# Altium PCB ld_harness.PcbDoc (part 2 of 3)
Units mm, origin at the board's own origin, x right, y up, seen from the top; angles counter-clockwise.
Board outline 234 x 120.33 mm, 2 copper layers (Top Layer, Bottom Layer), stack 0.145 mm thick; 21 components, 114 nets, 500 pads, 1994 vias.
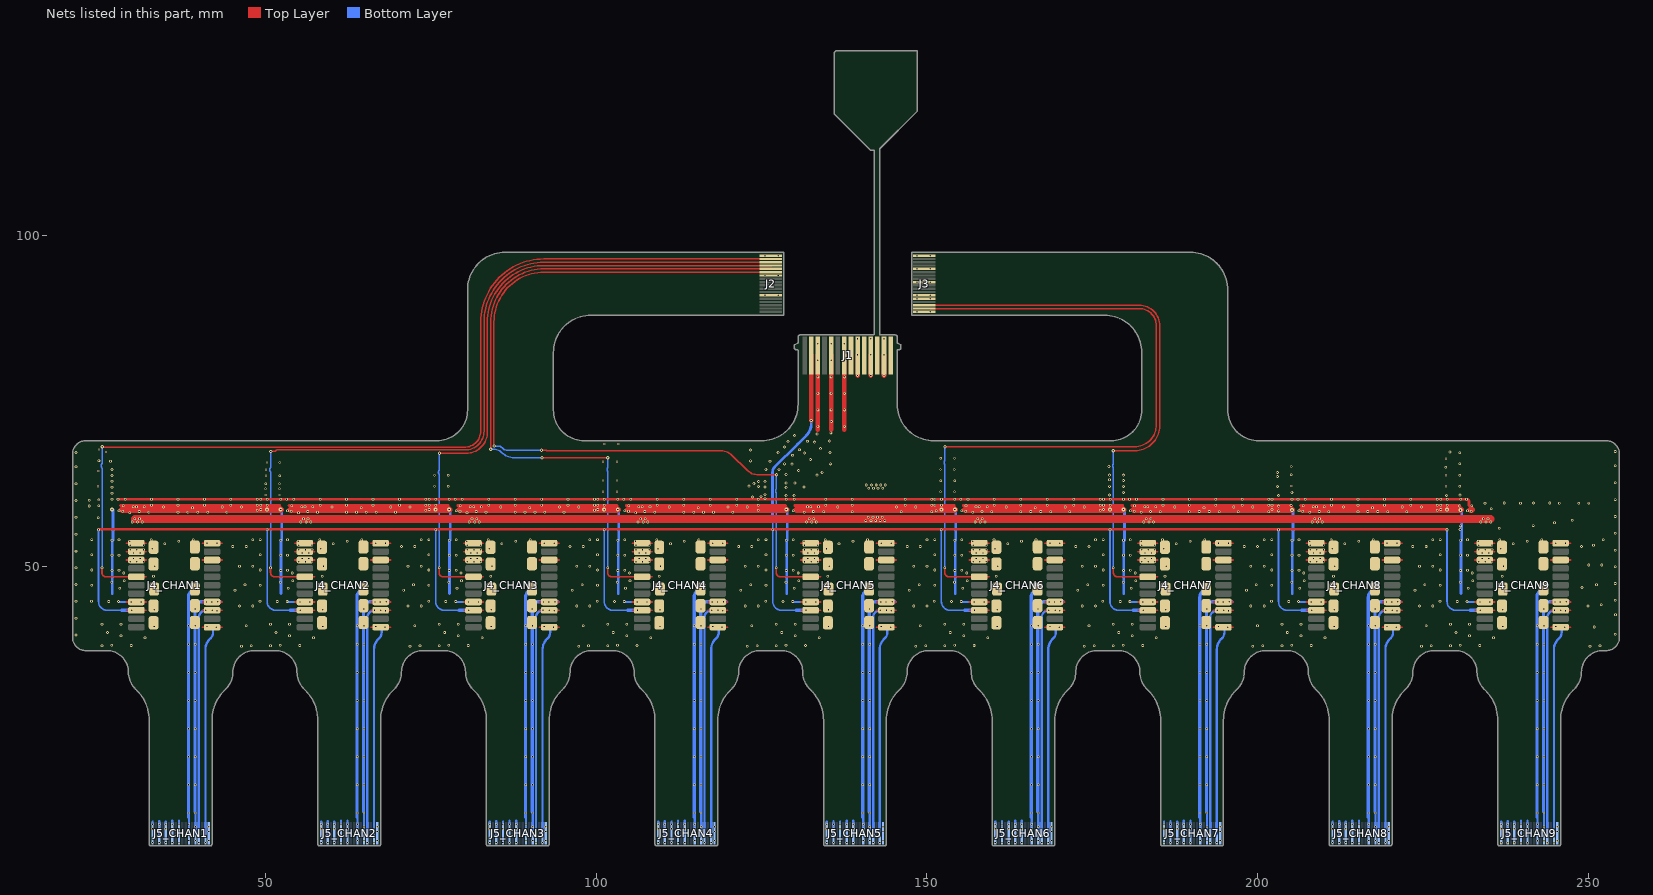
[diagram p2: the nets of this part, all layers, seen from the top]

## Via types
v1: diameter 0.4, hole 0.2, Top Layer to Bottom Layer, tented both sides, 1077 vias
v2: diameter 0.35, hole 0.2, Top Layer to Bottom Layer, tented both sides, 739 vias
v3: diameter 0.45, hole 0.2, Top Layer to Bottom Layer, tented both sides, 98 vias
v4: diameter 0.5, hole 0.2, Top Layer to Bottom Layer, tented both sides, 65 vias
v5: diameter 0.6, hole 0.2, Top Layer to Bottom Layer, tented both sides, 15 vias

## Nets (pads, with @x,y where several pads share a name; then routed paths per layer and width w, separated by ;. In a path a pad name is that pad's centre, name@x,y a point inside that pad or via, vN(x,y) a via of type N, cw(c..) or ccw(c..) an arc to the next point about the centre after c; other vN are vias at no path point) (continued)
_TEMP_CHAN1: J4_CHAN1.11 J5_CHAN1.17 | length 31.8
  Bottom Layer w0.35: J5_CHAN1.17@40.85,9.5 40.85,13.474 40.85,37.431 cw(c43.069,37.431) 41.5,39 41.646,39.146 ccw(c40.793,40) 42,40 42,41
  other v1: 42.5,40.8 41.1,40.9
  other v2: 40.85,8.225
_TEMP_CHAN2: J4_CHAN2.11 J5_CHAN2.17 | length 31.8
  Bottom Layer w0.35: J5_CHAN2.17@66.35,9.5 66.35,13.474 66.35,37.431 cw(c68.569,37.431) 67,39 67.146,39.146 ccw(c66.293,40) 67.5,40 67.5,41
  other v1: 68,40.8 66.6,40.9
  other v2: 66.35,8.225
_TEMP_CHAN3: J4_CHAN3.11 J5_CHAN3.17 | length 31.8
  Bottom Layer w0.35: J5_CHAN3.17@91.85,9.5 91.85,13.474 91.85,37.431 cw(c94.069,37.431) 92.5,39 92.646,39.146 ccw(c91.793,40) 93,40 93,41
  other v1: 93.5,40.8 92.1,40.9
  other v2: 91.85,8.225
_TEMP_CHAN4: J4_CHAN4.11 J5_CHAN4.17 | length 31.8
  Bottom Layer w0.35: J5_CHAN4.17@117.35,9.5 117.35,13.474 117.35,37.431 cw(c119.569,37.431) 118,39 118.146,39.146 ; 118.147,39.147 ccw(c117.293,40) 118.5,40 118.5,41
  other v1: 119,40.8 117.6,40.9
  other v2: 117.35,8.225
_TEMP_CHAN5: J4_CHAN5.11 J5_CHAN5.17 | length 31.8
  Bottom Layer w0.35: J5_CHAN5.17@142.85,9.5 142.85,13.474 142.85,37.431 cw(c145.069,37.431) 143.5,39 143.646,39.146 ccw(c142.793,40) 144,40 144,41
  other v1: 144.5,40.8 143.1,40.9
  other v2: 142.85,8.225
_TEMP_CHAN6: J4_CHAN6.11 J5_CHAN6.17 | length 31.8
  Bottom Layer w0.35: J5_CHAN6.17@168.35,9.5 168.35,13.474 168.35,37.431 cw(c170.569,37.431) 169,39 169.146,39.146 ccw(c168.293,40) 169.5,40 169.5,41
  other v1: 170,40.8 168.6,40.9
  other v2: 168.35,8.225
_TEMP_CHAN7: J4_CHAN7.11 J5_CHAN7.17 | length 31.8
  Bottom Layer w0.35: J5_CHAN7.17@193.85,9.5 193.85,13.474 193.85,37.431 cw(c196.069,37.431) 194.5,39 194.646,39.146 ccw(c193.793,40) 195,40 195,41
  other v1: 195.5,40.8 194.1,40.9
  other v2: 193.85,8.225
_TEMP_CHAN8: J4_CHAN8.11 J5_CHAN8.17 | length 31.8
  Bottom Layer w0.35: J5_CHAN8.17@219.35,9.5 219.35,13.474 219.35,37.431 cw(c221.569,37.431) 220,39 220.146,39.146 ; 220.147,39.147 ccw(c219.293,40) 220.5,40 220.5,41
  other v1: 221,40.8 219.6,40.9
  other v2: 219.35,8.225
_TEMP_CHAN9: J4_CHAN9.11 J5_CHAN9.17 | length 31.8
  Bottom Layer w0.35: J5_CHAN9.17@244.85,9.5 244.85,13.474 244.85,37.431 cw(c247.069,37.431) 245.5,39 245.646,39.146 ccw(c244.793,40) 246,40 246,41
  other v1: 246.5,40.8 245.1,40.9
  other v2: 244.85,8.2
_VDD5_CHAN1: J4_CHAN1.9 J5_CHAN1.15 | length 36.4
  Bottom Layer w0.35: J5_CHAN1.15@39.85,9.5 39.85,11.385 39.85,13.06 39.85,42.277 cw(c40.919,42.277) v1(40.919,43.345)
  Bottom Layer w0.5: v1(40.919,43.345) 42.845,43.345
  other v1: 42.6,43.3 41.882,43.345
  other v2: 39.85,8.225
_VDD5_CHAN2: J4_CHAN2.9 J5_CHAN2.15 | length 36.4
  Bottom Layer w0.35: J5_CHAN2.15@65.35,9.5 65.35,11.385 65.35,13.06 65.35,42.277 cw(c66.419,42.277) v1(66.419,43.345)
  Bottom Layer w0.5: v1(66.419,43.345) 68.345,43.345
  other v1: 68.1,43.3 67.382,43.345
  other v2: 65.35,8.225
_VDD5_CHAN3: J4_CHAN3.9 J5_CHAN3.15 | length 36.4
  Bottom Layer w0.35: J5_CHAN3.15@90.85,9.5 90.85,11.385 90.85,13.06 90.85,42.277 cw(c91.919,42.277) v1(91.919,43.345)
  Bottom Layer w0.5: v1(91.919,43.345) 93.845,43.345
  other v1: 93.6,43.3 92.882,43.345
  other v2: 90.85,8.225
_VDD5_CHAN4: J4_CHAN4.9 J5_CHAN4.15 | length 36.4
  Bottom Layer w0.35: J5_CHAN4.15@116.35,9.5 116.35,11.385 116.35,13.06 116.35,42.277 cw(c117.419,42.277) v1(117.419,43.345)
  Bottom Layer w0.5: v1(117.419,43.345) 119.345,43.345
  other v1: 119.1,43.3 118.382,43.345
  other v2: 116.35,8.225
_VDD5_CHAN5: J4_CHAN5.9 J5_CHAN5.15 | length 36.4
  Bottom Layer w0.35: J5_CHAN5.15@141.85,9.5 141.85,11.385 141.85,13.06 141.85,42.277 cw(c142.919,42.277) v1(142.919,43.345)
  Bottom Layer w0.5: v1(142.919,43.345) 144.845,43.345
  other v1: 144.6,43.3 143.882,43.345
  other v2: 141.85,8.225
_VDD5_CHAN6: J4_CHAN6.9 J5_CHAN6.15 | length 36.4
  Bottom Layer w0.35: J5_CHAN6.15@167.35,9.5 167.35,11.385 167.35,13.06 167.35,42.277 cw(c168.419,42.277) v1(168.419,43.345)
  Bottom Layer w0.5: v1(168.419,43.345) 170.345,43.345
  other v1: 170.1,43.3 169.382,43.345
  other v2: 167.35,8.225
_VDD5_CHAN7: J4_CHAN7.9 J5_CHAN7.15 | length 36.4
  Bottom Layer w0.35: J5_CHAN7.15@192.85,9.5 192.85,11.385 192.85,13.06 192.85,42.277 cw(c193.919,42.277) v1(193.919,43.345)
  Bottom Layer w0.5: v1(193.919,43.345) 195.845,43.345
  other v1: 195.6,43.3 194.882,43.345
  other v2: 192.85,8.225
_VDD5_CHAN8: J4_CHAN8.9 J5_CHAN8.15 | length 36.4
  Bottom Layer w0.35: J5_CHAN8.15@218.35,9.5 218.35,11.385 218.35,13.06 218.35,42.277 cw(c219.419,42.277) v1(219.419,43.345)
  Bottom Layer w0.5: v1(219.419,43.345) 221.345,43.345
  other v1: 221.1,43.3 220.382,43.345
  other v2: 218.35,8.225
_VDD5_CHAN9: J4_CHAN9.9 J5_CHAN9.15 | length 36.4
  Bottom Layer w0.35: J5_CHAN9.15@243.85,9.5 243.85,11.385 243.85,13.06 243.85,42.277 cw(c244.919,42.277) v1(244.919,43.345)
  Bottom Layer w0.5: v1(244.919,43.345) 246.845,43.345
  other v1: 246.6,43.3 245.882,43.345
  other v2: 243.85,8.2
AGND: J1.3 J1.5 J1.7 J1.9 J1.11 J1.13 J2.1 J2.7 J2.13 J3.1 J3.5 J3.6 J3.10 J3.14 J3.18 J4_CHAN1.1 J4_CHAN1.1_G J4_CHAN1.3 J4_CHAN1.3_G J4_CHAN1.8_G J4_CHAN1.AGND_G J4_CHAN1.PGND J4_CHAN2.1 J4_CHAN2.1_G J4_CHAN2.3 J4_CHAN2.3_G J4_CHAN2.8_G J4_CHAN2.AGND_G J4_CHAN2.PGND J4_CHAN3.1 J4_CHAN3.1_G J4_CHAN3.3 J4_CHAN3.3_G J4_CHAN3.8_G J4_CHAN3.AGND_G J4_CHAN3.PGND J4_CHAN4.1 J4_CHAN4.1_G J4_CHAN4.3 J4_CHAN4.3_G J4_CHAN4.8_G J4_CHAN4.AGND_G J4_CHAN4.PGND J4_CHAN5.1 J4_CHAN5.1_G J4_CHAN5.3 J4_CHAN5.3_G J4_CHAN5.8_G J4_CHAN5.AGND_G J4_CHAN5.PGND J4_CHAN6.1 J4_CHAN6.1_G J4_CHAN6.3 J4_CHAN6.3_G J4_CHAN6.8_G J4_CHAN6.AGND_G J4_CHAN6.PGND J4_CHAN7.1 J4_CHAN7.1_G J4_CHAN7.3 J4_CHAN7.3_G J4_CHAN7.8_G J4_CHAN7.AGND_G J4_CHAN7.PGND J4_CHAN8.1 J4_CHAN8.1_G J4_CHAN8.3 J4_CHAN8.3_G J4_CHAN8.8_G J4_CHAN8.AGND_G J4_CHAN8.PGND J4_CHAN9.1 J4_CHAN9.1_G J4_CHAN9.3 J4_CHAN9.3_G J4_CHAN9.8_G J4_CHAN9.AGND_G J4_CHAN9.PGND J5_CHAN1.1 J5_CHAN1.3 J5_CHAN1.5 J5_CHAN1.7 J5_CHAN1.9 J5_CHAN2.1 J5_CHAN2.3 J5_CHAN2.5 J5_CHAN2.7 J5_CHAN2.9 J5_CHAN3.1 J5_CHAN3.3 J5_CHAN3.5 J5_CHAN3.7 J5_CHAN3.9 J5_CHAN4.1 J5_CHAN4.3 J5_CHAN4.5 J5_CHAN4.7 J5_CHAN4.9 J5_CHAN5.1 J5_CHAN5.3 J5_CHAN5.5 J5_CHAN5.7 J5_CHAN5.9 J5_CHAN6.1 J5_CHAN6.3 J5_CHAN6.5 J5_CHAN6.7 J5_CHAN6.9 J5_CHAN7.1 J5_CHAN7.3 J5_CHAN7.5 J5_CHAN7.7 J5_CHAN7.9 J5_CHAN8.1 J5_CHAN8.3 J5_CHAN8.5 J5_CHAN8.7 J5_CHAN8.9 J5_CHAN9.1 J5_CHAN9.3 J5_CHAN9.5 J5_CHAN9.7 J5_CHAN9.9 | length 813.3
  Top Layer w0.4: v1(27.625,60.15) v1@48.7,60.15 ; 28,59.2 28.05,59.25 v1(36.7,59.25) 38.9,59.25 v1(40.7,59.25) v1(44.7,59.25) v1(48.7,59.25) ; v1@48.625,59.25 v1(49.2,59.25) v1(50.2,59.25) 52.05,59.25 52.1,59.2 ; v1@48.704,60.15 v1(49.2,60.15) v1(50.2,60.15) v1(52.225,60.15) v1(53.125,60.15) v1@74.2,60.15 ; 53.5,59.2 53.55,59.25 v1(62.2,59.25) 64.4,59.25 v1(66.2,59.25) v1(70.2,59.25) v1(74.2,59.25) ; v1@74.125,59.25 v1(74.7,59.25) v1(75.7,59.25) 77.55,59.25 77.6,59.2 ; v1@74.204,60.15 v1(74.7,60.15) v1(75.7,60.15) v1(77.725,60.15) v1(78.625,60.15) v1@99.7,60.15 ; 79,59.2 79.05,59.25 v1(87.7,59.25) 89.9,59.25 v1(91.7,59.25) v1(95.7,59.25) v1(99.7,59.25) ; v1@99.625,59.25 v1(100.2,59.25) v1(101.2,59.25) 103.05,59.25 103.1,59.2 ; v1@99.704,60.15 v1(100.2,60.15) v1(101.2,60.15) v1(103.225,60.15) v1(104.125,60.15) v1@124.5,60.15 ; 104.5,59.2 104.55,59.25 v1(113.2,59.25) 115.4,59.25 v1(117.2,59.25) v1(121.2,59.25) v1(124.5,59.25) 125.2,59.25 ; v1(124.5,60.175) 124.525,60.15 v1(129.925,60.15) v1@150.7,60.15 ; 125.125,59.25 125.7,59.25 126.7,59.25 128.55,59.25 128.6,59.2 ; 130,59.2 130.05,59.25 v1(138.7,59.25) 140.9,59.25 v1(146.7,59.25) v1(150.7,59.25) ; v1@150.625,59.25 v1(151.2,59.25) v1(152.2,59.25) 154.05,59.25 154.1,59.2 ; v1@150.704,60.15 v1(151.2,60.15) v1(152.2,60.15) v1(154.225,60.15) v1(155.125,60.15) v1@176.2,60.15 ; 155.5,59.2 155.55,59.25 v1(164.2,59.25) 166.4,59.25 v1(168.2,59.25) v1(172.2,59.25) v1(176.2,59.25) ; v1@176.125,59.25 v1(176.7,59.25) v1(177.7,59.25) 179.55,59.25 179.6,59.2 ; v1@176.204,60.15 v1(176.7,60.15) v1(177.7,60.15) v1(179.725,60.15) v1(180.625,60.15) v1@201.7,60.15 ; 181,59.2 181.05,59.25 v1(189.7,59.25) 191.9,59.25 v1(193.7,59.25) v1(197.7,59.25) v1(201.7,59.25) ; v1@201.625,59.25 v1(202.2,59.25) 203.2,59.25 205.05,59.25 v3(205.1,59.2) ; v1@201.704,60.15 v1(202.2,60.15) v1(205.225,60.15) v1(206.125,60.15) v1@227.2,60.15 ; 206.5,59.2 206.55,59.25 v1(215.2,59.25) 217.4,59.25 v1(219.2,59.25) v1(223.2,59.25) v1(227.2,59.25) ; v1@227.125,59.25 v1(227.7,59.25) v1(228.7,59.25) 230.55,59.25 v3@230.6,59.2 ; v1@227.204,60.15 v1(227.7,60.15) v1(228.7,60.15) v1(230.725,60.15) 230.729,60.154 231.239,60.154 231.243,60.15 v1(231.625,60.15) cw(c231.625,59.775) 232,59.775 232,59.2 232.05,59.25
  Top Layer w0.7: 133.5,70.675 J1.3@133.5,82 ; 135.5,70.65 135.5,71.885 v3(135.523,71.908) 135.5,71.931 v3(135.5,76.175) v3(135.5,78.675) v3(135.5,81.175) J1.5@135.5,82 ; 137.5,70.675 J1.7@137.5,82 ; v3(139.5,78.875) v3(139.5,82) ; v3(141.5,78.875) v3(141.5,82) ; v3(143.5,78.875) v3(143.5,82)
  Top Layer w1: 28.3,58.575 28.4,58.575 28.7,58.575 30.82,58.575 31.22,58.575 32.7,58.575 34.5,58.575 34.9,58.575 36.7,58.575 39.7,58.575 40.7,58.575 43.4,58.575 44.1,58.575 46.9,58.575 48.7,58.575 v5(50.175,58.575) v5@52.203,58.575 ; 53.8,58.575 53.9,58.575 54.2,58.575 56.32,58.575 56.72,58.575 58.2,58.575 60,58.575 60.4,58.575 62.2,58.575 65.2,58.575 66.2,58.575 68.9,58.575 69.6,58.575 72.4,58.575 74.2,58.575 v5(75.675,58.575) v5@77.703,58.575 ; 79.3,58.575 79.4,58.575 79.7,58.575 81.82,58.575 82.22,58.575 83.7,58.575 85.5,58.575 85.9,58.575 87.7,58.575 90.7,58.575 91.7,58.575 94.4,58.575 95.1,58.575 97.9,58.575 99.7,58.575 v5(101.175,58.575) v5@103.203,58.575 ; 104.8,58.575 104.9,58.575 105.2,58.575 107.32,58.575 107.72,58.575 109.2,58.575 111,58.575 111.4,58.575 113.2,58.575 116.2,58.575 117.2,58.575 119.9,58.575 120.6,58.575 123.4,58.575 124.5,58.575 125.2,58.575 126.675,58.575 v5@128.703,58.575 ; 130.3,58.575 130.4,58.575 130.7,58.575 132.82,58.575 133.22,58.575 134.7,58.575 136.5,58.575 136.9,58.575 138.7,58.575 140.9,58.575 142.7,58.575 145.4,58.575 146.1,58.575 148.9,58.575 150.7,58.575 v5(152.175,58.575) v5@154.203,58.575 ; 155.8,58.575 155.9,58.575 156.2,58.575 158.32,58.575 158.72,58.575 160.2,58.575 162,58.575 162.4,58.575 164.2,58.575 167.2,58.575 168.2,58.575 170.9,58.575 171.6,58.575 174.4,58.575 176.2,58.575 v5(177.675,58.575) v5@179.703,58.575 ; 181.3,58.575 181.4,58.575 181.7,58.575 183.82,58.575 184.22,58.575 185.7,58.575 187.5,58.575 187.9,58.575 189.7,58.575 192.7,58.575 193.7,58.575 196.4,58.575 197.1,58.575 199.9,58.575 201.7,58.575 203.175,58.575 v5@205.203,58.575 ; 206.8,58.575 206.9,58.575 207.2,58.575 209.32,58.575 209.72,58.575 211.2,58.575 213,58.575 213.4,58.575 215.2,58.575 218.2,58.575 219.2,58.575 221.9,58.575 222.6,58.575 225.4,58.575 227.2,58.575 v5(228.675,58.575) v5@230.703,58.575 ; 232.3,58.575 232.4,58.575
  Bottom Layer w0.25: v1@27.745,44.615 v2@29.6,44.615 ; v1@53.245,44.615 v2@55.1,44.615 ; v1@78.745,44.615 v2@80.6,44.615 ; v1@104.245,44.615 v2@106.1,44.615 ; v1@129.745,44.615 v2@131.6,44.615 ; v1@155.245,44.615 v2@157.1,44.615 ; v1@180.745,44.615 v2@182.6,44.615 ; v1@206.245,44.615 v2@208.1,44.615 ; v1@231.745,44.615 v2@233.6,44.615
  Bottom Layer w0.35: v2(32.85,11) 32.85,11.417 ; J5_CHAN1.3@33.85,9.5 33.85,11.45 ; v2(34.85,11) 34.85,11.417 ; v2(35.85,11) 35.85,11.5 ; v2(36.85,11) 36.85,11.5 ; v2(58.35,11) 58.35,11.417 ; J5_CHAN2.3@59.35,9.5 59.35,11.45 ; v2(60.35,11) 60.35,11.417 ; v2(61.35,11) 61.35,11.5 ; v2(62.35,11) 62.35,11.5 ; v2(83.85,11) 83.85,11.417 ; J5_CHAN3.3@84.85,9.5 84.85,11.45 ; v2(85.85,11) 85.85,11.417 ; v2(86.85,11) 86.85,11.5 ; v2(87.85,11) 87.85,11.5 ; v2(109.35,11) 109.35,11.417 ; J5_CHAN4.3@110.35,9.5 110.35,11.45 ; v2(111.35,11) 111.35,11.417 ; v2(112.35,11) 112.35,11.5 ; v2(113.35,11) 113.35,11.5 ; v2(134.85,11) 134.85,11.417 ; J5_CHAN5.3@135.85,9.5 135.85,11.45 ; v2(136.85,11) 136.85,11.417 ; v2(137.85,11) 137.85,11.5 ; v2(138.85,11) 138.85,11.5 ; v2(160.35,11) 160.35,11.417 ; J5_CHAN6.3@161.35,9.5 161.35,11.45 ; v2(162.35,11) 162.35,11.417 ; v2(163.35,11) 163.35,11.5 ; v2(164.35,11) 164.35,11.5 ; v2(185.85,11) 185.85,11.417 ; J5_CHAN7.3@186.85,9.5 186.85,11.45 ; v2(187.85,11) 187.85,11.417 ; v2(188.85,11) 188.85,11.5 ; v2(189.85,11) 189.85,11.5 ; v2(211.35,11) 211.35,11.417 ; J5_CHAN8.3@212.35,9.5 212.35,11.45 ; v2(213.35,11) 213.35,11.417 ; v2(214.35,11) 214.35,11.5 ; v2(215.35,11) 215.35,11.5 ; v2(236.85,11) 236.85,11.417 ; J5_CHAN9.3@237.85,9.5 237.85,11.45 ; v2(238.85,11) 238.85,11.417 ; v2(239.85,11) 239.85,11.5 ; v2(240.85,11) 240.85,11.5
  Bottom Layer w0.4: 26.775,45.885 v1@26.775,53.966 ; v1@26.875,53.966 26.875,54.7 26.875,58.591 v5@26.875,58.6 ; 52.275,45.885 v1@52.275,53.966 ; v1@52.375,53.966 52.375,54.7 52.375,58.591 v5@52.375,58.6 ; 77.775,45.885 v1@77.775,53.966 ; v1@77.875,53.966 77.875,54.7 77.875,58.591 v5@77.875,58.6 ; 103.275,45.885 v1@103.275,53.966 ; v1@103.375,53.966 103.375,54.7 103.375,58.591 v5@103.375,58.6 ; 128.775,45.885 v1@128.775,53.966 ; v1@128.875,53.966 128.875,54.7 128.875,58.591 v5@128.875,58.6 ; 154.275,45.885 v1@154.275,53.966 ; v1@154.375,53.966 154.375,54.7 154.375,58.591 v5@154.375,58.6 ; 179.775,45.885 v1@179.775,53.966 ; v1@179.875,53.966 179.875,54.7 179.875,58.591 v5@179.875,58.6 ; 205.275,45.885 v1@205.275,53.966 ; v1@205.375,53.966 205.375,54.7 205.375,58.591 v5@205.375,58.6 ; 230.775,45.885 v1@230.775,53.966 ; v1@230.875,53.966 230.875,54.7 230.875,58.591 v5@230.875,58.6
  Bottom Layer w0.5: v2@29.6,44.615 v2@31.2,44.615 ; v2@55.1,44.615 v2@56.7,44.615 ; v2@80.6,44.615 v2@82.2,44.615 ; v2@106.1,44.615 v2@107.7,44.615 ; v2@131.6,44.615 v2@133.2,44.615 ; v2@157.1,44.615 v2@158.7,44.615 ; v2@182.6,44.615 v2@184.2,44.615 ; v2@208.1,44.615 v2@209.7,44.615 ; v2@233.6,44.615 v2@235.2,44.615
  other v1: 46.3,37.9 71.8,37.9 97.3,37.9 122.8,37.9 148.3,37.9 173.8,37.9 199.3,37.9 224.8,37.9 250.3,37.9 25.2,38 47.8,38 50.7,38 73.3,38 76.2,38 98.8,38 101.7,38 124.3,38 127.2,38 149.8,38 152.7,38 175.3,38 178.2,38 200.8,38 203.7,38 226.3,38 229.2,38 251.8,38 29.625,38.025 55.125,38.025 80.625,38.025 106.125,38.025 131.625,38.025 157.125,38.025 182.625,38.025 208.125,38.025 233.625,38.025 26.675,38.05 52.175,38.05 77.675,38.05 103.175,38.05 128.675,38.05 154.175,38.05 179.675,38.05 205.175,38.05 230.675,38.05 31.7,39.2 57.2,39.2 82.7,39.2 108.2,39.2 133.7,39.2 159.2,39.2 184.7,39.2 210.2,39.2 235.7,39.2 28.075,39.5 53.575,39.5 79.075,39.5 104.575,39.5 130.075,39.5 155.575,39.5 181.075,39.5 206.575,39.5 232.075,39.5 21.267,39.611 254.125,39.75 26.025,40 51.525,40 77.025,40 102.525,40 128.025,40 153.525,40 179.025,40 204.525,40 230.025,40 250.95,40.825 33.107,40.888 58.607,40.888 84.107,40.888 109.607,40.888 135.107,40.888 160.607,40.888 186.107,40.888 211.607,40.888 237.107,40.888 47,41 72.5,41 98,41 123.5,41 149,41 174.5,41 200,41 225.5,41 25.2,41.25 28.075,41.25 50.7,41.25 53.575,41.25 76.2,41.25 79.075,41.25 101.7,41.25 104.575,41.25 127.2,41.25 130.075,41.25 152.7,41.25 155.575,41.25 178.2,41.25 181.075,41.25 203.7,41.25 206.575,41.25 229.2,41.25 232.075,41.25 21.267,42.161 254.15,42.675 33.107,43.438 58.607,43.438 84.107,43.438 109.607,43.438 135.107,43.438 160.607,43.438 186.107,43.438 211.607,43.438 237.107,43.438 46,44 48,44 71.5,44 73.5,44 97,44 99,44 122.5,44 124.5,44 148,44 150,44 173.5,44 175.5,44 199,44 201,44 224.5,44 226.5,44 250,44 252.009,44.205 26.219,44.691 27.7,44.69 51.719,44.691 53.2,44.69 77.219,44.691 78.7,44.69 102.719,44.691 104.2,44.69 128.219,44.691 129.7,44.69 153.719,44.691 155.2,44.69 179.219,44.691 180.7,44.69 204.719,44.691 206.2,44.69 230.219,44.691 231.7,44.69 21.267,44.711 23.608,44.7 49.108,44.7 74.608,44.7 100.108,44.7 125.608,44.7 151.108,44.7 176.608,44.7 202.108,44.7 227.608,44.7 254.125,44.85 45.325,46.4 70.825,46.4 96.325,46.4 121.825,46.4 147.325,46.4 172.825,46.4 198.325,46.4 223.825,46.4 33.089,46.619 58.589,46.619 84.089,46.619 109.589,46.619 135.089,46.619 160.589,46.619 186.089,46.619 211.589,46.619 237.089,46.619 27.9,46.7 53.4,46.7 78.9,46.7 104.4,46.7 129.9,46.7 155.4,46.7 180.9,46.7 206.4,46.7 231.9,46.7 249.086,46.809 23.658,47.15 49.158,47.15 74.658,47.15 100.158,47.15 125.658,47.15 151.158,47.15 176.658,47.15 202.158,47.15 227.658,47.15 46.825,47.2 72.325,47.2 97.825,47.2 123.325,47.2 148.825,47.2 174.325,47.2 199.825,47.2 225.325,47.2 251.271,47.228 21.267,47.261 254.125,47.4 26.669,47.616 52.169,47.616 77.669,47.616 103.169,47.616 128.669,47.616 154.169,47.616 179.669,47.616 205.169,47.616 230.669,47.616 28.579,47.842 54.079,47.842 79.579,47.842 105.079,47.842 130.579,47.842 156.079,47.842 181.579,47.842 207.079,47.842 232.579,47.842 33,48.5 58.5,48.5 84,48.5 109.5,48.5 135,48.5 160.5,48.5 186,48.5 211.5,48.5 237,48.5 28.5,49 54,49 79.5,49 105,49 130.5,49 156,49 181.5,49 207,49 232.5,49 26.719,49.366 52.219,49.366 77.719,49.366 103.219,49.366 128.719,49.366 154.219,49.366 179.719,49.366 205.219,49.366 230.719,49.366 27.775,49.4 53.275,49.4 78.775,49.4 104.275,49.4 129.775,49.4 155.275,49.4 180.775,49.4 206.275,49.4 231.775,49.4 23.658,49.45 49.158,49.45 74.658,49.45 100.158,49.45 125.658,49.45 151.158,49.45 176.658,49.45 202.158,49.45 227.658,49.45 21.267,49.786 254.125,49.925 33.2,50 46,50 48,50 58.7,50 71.5,50 73.5,50 84.2,50 97,50 99,50 109.7,50 122.5,50 124.5,50 135.2,50 148,50 150,50 160.7,50 173.5,50 175.5,50 186.2,50 199,50 201,50 211.7,50 224.5,50 226.5,50 237.2,50 252.063,50.206 250.096,50.215 26.719,51.666 52.219,51.666 77.719,51.666 103.219,51.666 128.719,51.666 154.219,51.666 179.719,51.666 205.219,51.666 230.719,51.666 27.775,51.7 53.275,51.7 78.775,51.7 104.275,51.7 129.775,51.7 155.275,51.7 180.775,51.7 206.275,51.7 231.775,51.7 23.658,51.75 49.158,51.75 74.658,51.75 100.158,51.75 125.658,51.75 151.158,51.75 176.658,51.75 202.158,51.75 227.658,51.75 21.267,52.311 254.125,52.45 32.8,52.685 58.3,52.685 83.8,52.685 109.3,52.685 134.8,52.685 160.3,52.685 185.8,52.685 211.3,52.685 236.8,52.685 45,53 47,53 70.5,53 72.5,53 96,53 98,53 121.5,53 123.5,53 147,53 149,53 172.5,53 174.5,53 198,53 200,53 223.5,53 225.5,53 249,53 250.816,53.183 34.7,53.4 60.2,53.4 85.7,53.4 111.2,53.4 136.7,53.4 162.2,53.4 187.7,53.4 213.2,53.4 238.7,53.4 41.1,53.505 42.6,53.505 66.6,53.505 68.1,53.505 92.1,53.505 93.6,53.505 117.6,53.505 119.1,53.505 143.1,53.505 144.6,53.505 168.6,53.505 170.1,53.505 194.1,53.505 195.6,53.505 219.6,53.505 221.1,53.505 245.1,53.505 246.6,53.505 36.8,53.8 62.3,53.8 87.8,53.8 113.3,53.8 138.8,53.8 164.3,53.8 189.8,53.8 215.3,53.8 240.8,53.8 26.719,53.966 52.219,53.966 77.719,53.966 103.219,53.966 128.719,53.966 154.219,53.966 179.719,53.966 205.219,53.966 230.719,53.966 27.775,54 32.629,54 39,54 48,54 53.275,54 58.129,54 64.5,54 73.5,54 78.775,54 83.629,54 90,54 99,54 104.275,54 109.129,54 115.5,54 124.5,54 129.775,54 134.629,54 141,54 150,54 155.275,54 160.129,54 166.5,54 175.5,54 180.775,54 185.629,54 192,54 201,54 206.275,54 211.129,54 217.5,54 226.5,54 231.775,54 236.629,54 243,54 23.658,54.05 49.158,54.05 74.658,54.05 100.158,54.05 125.658,54.05 151.158,54.05 176.658,54.05 202.158,54.05 227.658,54.05 252.282,54.048 21.267,54.861 254.125,55 236.58,55.753 241.73,56.168 244.936,56.608 247.596,56.991 24.65,57.35 21.267,57.411 254.125,57.55 29.42,58.103 54.92,58.103 80.42,58.103 105.92,58.103 32.3,58.175 36.7,58.175 41.2,58.175 44.1,58.175 57.8,58.175 62.2,58.175 66.7,58.175 69.6,58.175 83.3,58.175 87.7,58.175 92.2,58.175 95.1,58.175 108.8,58.175 113.2,58.175 117.7,58.175 120.6,58.175 38.2,58.2 39.7,58.2 63.7,58.2 65.2,58.2 89.2,58.2 90.7,58.2 114.7,58.2 116.2,58.2 131.42,58.203 156.92,58.203 182.42,58.203 207.92,58.203 134.4,58.275 138.7,58.275 146.1,58.275 150.7,58.275 159.8,58.275 164.2,58.275 168.7,58.275 171.6,58.275 185.3,58.275 189.7,58.275 194.2,58.275 197.1,58.275 201.7,58.275 210.8,58.275 215.2,58.275 219.7,58.275 222.6,58.275 30.82,58.303 56.32,58.303 81.82,58.303 107.32,58.303 132.82,58.303 158.32,58.303 165.7,58.3 167.2,58.3 183.82,58.303 191.2,58.3 192.7,58.3 209.32,58.303 216.7,58.3 218.2,58.3 28.35,58.325 53.85,58.325 79.35,58.325 104.85,58.325 155.85,58.325 181.35,58.325 206.85,58.325 232.35,58.325 151.4,58.4 27.775,58.425 53.275,58.425 78.775,58.425 104.275,58.425 129.775,58.425 155.275,58.425 180.775,58.425 206.275,58.425 231.775,58.425 48.7,58.475 74.2,58.475 99.7,58.475 124.5,58.475 176.2,58.475 227.2,58.475 49.2,58.6 74.7,58.6 100.2,58.6 176.7,58.6 202.2,58.6 227.7,58.6 235.372,58.692 38.9,58.875 64.4,58.875 89.9,58.875 115.4,58.875 166.4,58.875 191.9,58.875 217.4,58.875 34.5,58.975 43.4,58.975 46.3,58.975 60,58.975 68.9,58.975 71.8,58.975 85.5,58.975 94.4,58.975 97.3,58.975 111,58.975 119.9,58.975 122.8,58.975 136.5,58.975 145.4,58.975 148.3,58.975 162,58.975 170.9,58.975 173.8,58.975 187.5,58.975 196.4,58.975 199.3,58.975 213,58.975 221.9,58.975 224.8,58.975 29.92,59.003 30.42,59.003 31.6,59 55.42,59.003 55.92,59.003 57.1,59 80.92,59.003 81.42,59.003 82.6,59 106.42,59.003 106.92,59.003 108.1,59 131.92,59.003 132.42,59.003 133.6,59 157.42,59.003 157.92,59.003 159.1,59 182.92,59.003 183.42,59.003 184.6,59 208.42,59.003 208.92,59.003 210.1,59 23.274,59.131 28.4,59.15 53.9,59.15 79.4,59.15 104.9,59.15 155.9,59.15 181.4,59.15 206.9,59.15 232.4,59.15 24.725,59.175 32.7,59.25 58.2,59.25 83.7,59.25 109.2,59.25 134.7,59.25 160.2,59.25 185.7,59.25 211.2,59.25 234.405,59.551 248.581,59.553 237.332,59.577 239.788,59.567 241.756,59.577 244.192,59.577 245.672,59.562 250.095,59.572 21.267,59.961 23.254,59.996 24.725,60.05 254.125,60.1 26.725,60.15 128.725,60.15 28.7,60.175 32.7,60.175 36.7,60.175 40.7,60.175 44.7,60.175 48.7,60.175 54.2,60.175 58.2,60.175 62.2,60.175 66.2,60.175 70.2,60.175 74.2,60.175 79.7,60.175 83.7,60.175 87.7,60.175 91.7,60.175 95.7,60.175 99.7,60.175 105.2,60.175 109.2,60.175 113.2,60.175 117.2,60.175 121.2,60.175 134.7,60.175 138.7,60.175 146.7,60.175 150.7,60.175 156.2,60.175 160.2,60.175 164.2,60.175 168.2,60.175 172.2,60.175 176.2,60.175 181.7,60.175 185.7,60.175 189.7,60.175 193.7,60.175 197.7,60.175 201.7,60.175 207.2,60.175 211.2,60.175 215.2,60.175 219.2,60.175 223.2,60.175 227.2,60.175 26.725,61.05 26.725,61.95 21.267,62.511 254.125,62.65 26.725,62.85 26.725,63.75 26.725,64.65 21.267,65.061 254.125,65.2 21.275,67.225 254.133,67.364
  other v2: 236.85,8.2 237.85,8.2 238.85,8.2 239.85,8.2 240.85,8.2 32.85,8.225 33.85,8.225 34.85,8.225 35.85,8.225 36.85,8.225 58.35,8.225 59.35,8.225 60.35,8.225 61.35,8.225 62.35,8.225 83.85,8.225 84.85,8.225 85.85,8.225 86.85,8.225 87.85,8.225 109.35,8.225 110.35,8.225 111.35,8.225 112.35,8.225 113.35,8.225 134.85,8.225 135.85,8.225 136.85,8.225 137.85,8.225 138.85,8.225 160.35,8.225 161.35,8.225 162.35,8.225 163.35,8.225 164.35,8.225 185.85,8.225 186.85,8.225 187.85,8.225 188.85,8.225 189.85,8.225 211.35,8.225 212.35,8.225 213.35,8.225 214.35,8.225 215.35,8.225 32.85,10.3 33.85,10.3 34.85,10.3 35.85,10.3 36.85,10.3 58.35,10.3 59.35,10.3 60.35,10.3 61.35,10.3 62.35,10.3 83.85,10.3 84.85,10.3 85.85,10.3 86.85,10.3 87.85,10.3 109.35,10.3 110.35,10.3 111.35,10.3 112.35,10.3 113.35,10.3 134.85,10.3 135.85,10.3 136.85,10.3 137.85,10.3 138.85,10.3 160.35,10.3 161.35,10.3 162.35,10.3 163.35,10.3 164.35,10.3 185.85,10.3 186.85,10.3 187.85,10.3 188.85,10.3 189.85,10.3 211.35,10.3 212.35,10.3 213.35,10.3 214.35,10.3 215.35,10.3 236.85,10.3 237.85,10.3 238.85,10.3 239.85,10.3 240.85,10.3 33.85,11 59.35,11 84.85,11 110.35,11 135.85,11 161.35,11 186.85,11 212.35,11 237.85,11 29.65,44.61 31.15,44.62 55.15,44.61 56.65,44.62 80.65,44.61 82.15,44.62 106.15,44.61 107.65,44.62 131.65,44.61 133.15,44.62 157.15,44.61 158.65,44.62 182.65,44.61 184.15,44.62 208.15,44.61 209.65,44.62 233.65,44.61 235.15,44.62 29.475,50.675 30.475,50.675 31.475,50.675 54.975,50.675 55.975,50.675 56.975,50.675 80.475,50.675 81.475,50.675 82.475,50.675 105.975,50.675 106.975,50.675 107.975,50.675 131.475,50.675 132.475,50.675 133.475,50.675 156.975,50.675 157.975,50.675 158.975,50.675 182.475,50.675 183.475,50.675 184.475,50.675 207.975,50.675 208.975,50.675 209.975,50.675 233.475,50.675 234.475,50.675 235.475,50.675 29.975,51.175 30.975,51.175 55.475,51.175 56.475,51.175 80.975,51.175 81.975,51.175 106.475,51.175 107.475,51.175 131.975,51.175 132.975,51.175 157.475,51.175 158.475,51.175 182.975,51.175 183.975,51.175 208.475,51.175 209.475,51.175 233.975,51.175 234.975,51.175 29.475,53.215 31.475,53.215 54.975,53.215 56.975,53.215 80.475,53.215 82.475,53.215 105.975,53.215 107.975,53.215 131.475,53.215 133.475,53.215 156.975,53.215 158.975,53.215 182.475,53.215 184.475,53.215 207.975,53.215 209.975,53.215 233.475,53.215 235.475,53.215 29.4,53.8 54.9,53.8 80.4,53.8 105.9,53.8 131.4,53.8 156.9,53.8 182.4,53.8 207.9,53.8 233.4,53.8 49.958,60.792 52.058,60.792 152.052,61.272 154.152,61.272 101,61.3 103.1,61.3 49.941,61.757 52.041,61.757 24.6,62.1 75.5,62.1 77.6,62.1 228.5,62.1 230.6,62.1 205.125,62.15 49.958,62.479 52.058,62.479 152.078,62.956 154.178,62.956 101,63 103.1,63 50,63.7 52.1,63.7 75.5,63.8 77.6,63.8 228.5,63.8 230.6,63.8 205.125,63.85 24.65,64.425 50,64.6 152.034,64.639 154.134,64.639 228.498,64.97 205.1,65.1 230.6,65.5 52.1,65.7 50.171,65.72 101,65.8 103.1,65.8 228.5,66.3 152.071,66.37 154.171,66.37 230.6,67.2 25.8,67.3 24.75,67.675 101.2,68.5 103.3,68.5 148.5,88.5 150.5,88.5 148.5,90.5 150.5,90.5 125.5,91 127.5,91 148.5,91 150.5,91 148.5,93 150.5,93 125.5,94 127.5,94 148.5,95 150.5,95 125.5,97 127.5,97 148.5,97 150.5,97
  other v3: 230.65,55.575 230.675,56.125 203.2,58.4 203.2,59.1 230.57,59.129 125.5,60.3 123.6,60.5 124.9,60.6 128.7,60.7 129.9,60.7 203.2,60.7 228.624,60.751 230.636,60.758 177.6,60.8 125.5,60.9 179.7,61.2 205.2,61.2 128.7,61.9 125.5,62 131.4,62 124.5,62.1 177.6,62.1 179.7,62.1 203,62.1 123.084,62.128 123.8,62.5 128.7,62.6 130,62.6 125.5,62.8 124.532,62.827 179.7,63 177.6,63.1 203,63.6 177.6,63.8 179.7,63.8 133.371,63.802 128.7,63.9 203,64.2 134.137,64.224 130.6,64.5 125.623,64.671 127.623,64.671 177.5,65.1 129.59,65.455 128.445,65.502 135.381,65.51 26.5,65.9 126.267,65.898 123.304,65.954 24.725,65.975 132.349,66.159 129.688,66.806 131.45,67.145 127.489,67.209 135.324,67.221 229.1,67.3 123.292,67.614 130.692,67.639 133.9,67.8 128.445,68.049 133.001,68.786 128.985,68.855 131.901,68.923 135.287,68.95 129.975,69.763 133.386,70.026 135.457,70.207 133.5,71.175 137.5,71.175 133.5,73.675 135.5,73.675 137.5,73.675 133.5,76.175 137.5,76.175 133.5,78.675 137.5,78.675 133.5,81.175 137.5,81.175 133.5,83.675 135.5,83.675 137.5,83.675 139.5,84.425 141.5,84.425 143.5,84.425
  other v5: 205.219,58.491 230.719,58.491 26.719,58.591 52.219,58.591 77.719,58.591 103.219,58.591 128.719,58.591 154.219,58.591 179.719,58.591
AGND_CHAN1: J4_CHAN1.8 J4_CHAN1.AGND J5_CHAN1.12 J5_CHAN1.14 J5_CHAN1.18 | length 75.5
  Bottom Layer w0.35: v2(38.35,10.3) v2(38.35,11) 38.35,11.385 38.35,12.024 ; J5_CHAN1.14@39.35,9.5 v2@39.35,12.852
  Bottom Layer w0.5: 38.275,12.024 38.275,45.325 cw(c39.475,45.325) 39.475,46.525 v4(39.5,46.525) ; v2@39.275,12.852 39.275,25.45 39.275,29.7 39.275,43.775 cw(c40.125,43.775) 40.125,44.625 43.125,44.625
  other v1: 41,44.6 41.8,44.6 42.725,44.625
  other v2: 38.35,8.525 39.35,8.525 41.35,8.525 39.35,9.9 41.35,9.9 39.35,10.6 41.35,10.6 38.3,12.7 39.325,12.7 38.3,16.95 39.325,16.95 38.3,21.2 39.325,21.2 38.3,25.45 39.325,25.45 38.3,29.7 39.325,29.7 38.3,33.95 39.325,33.95 38.3,38.2 39.325,38.2 38.3,41 39.325,41
  other v4: 39.304,43.545
AGND_CHAN2: J4_CHAN2.8 J4_CHAN2.AGND J5_CHAN2.12 J5_CHAN2.14 J5_CHAN2.18 | length 75.5
  Bottom Layer w0.35: v2(63.85,10.3) v2(63.85,11) 63.85,11.385 63.85,12.024 ; J5_CHAN2.14@64.85,9.5 v2@64.85,12.852
  Bottom Layer w0.5: 63.775,12.024 63.775,45.325 cw(c64.975,45.325) 64.975,46.525 v4(65,46.525) ; v2@64.775,12.852 64.775,25.45 64.775,29.7 64.775,43.775 cw(c65.625,43.775) 65.625,44.625 68.625,44.625
  other v1: 66.5,44.6 67.3,44.6 68.225,44.625
  other v2: 63.85,8.525 64.85,8.525 66.85,8.525 64.85,9.9 66.85,9.9 64.85,10.6 66.85,10.6 63.8,12.7 64.825,12.7 63.8,16.95 64.825,16.95 63.8,21.2 64.825,21.2 63.8,25.45 64.825,25.45 63.8,29.7 64.825,29.7 63.8,33.95 64.825,33.95 63.8,38.2 64.825,38.2 63.8,41 64.825,41
  other v4: 64.804,43.545
AGND_CHAN3: J4_CHAN3.8 J4_CHAN3.AGND J5_CHAN3.12 J5_CHAN3.14 J5_CHAN3.18 | length 75.5
  Bottom Layer w0.35: v2(89.35,10.3) v2(89.35,11) 89.35,11.385 89.35,12.024 ; J5_CHAN3.14@90.35,9.5 v2@90.35,12.852
  Bottom Layer w0.5: 89.275,12.024 89.275,45.325 cw(c90.475,45.325) 90.475,46.525 v4(90.5,46.525) ; v2@90.275,12.852 90.275,25.45 90.275,29.7 90.275,43.775 cw(c91.125,43.775) 91.125,44.625 94.125,44.625
  other v1: 92,44.6 92.8,44.6 93.725,44.625
  other v2: 89.35,8.525 90.35,8.525 92.35,8.525 90.35,9.9 92.35,9.9 90.35,10.6 92.35,10.6 89.3,12.7 90.325,12.7 89.3,16.95 90.325,16.95 89.3,21.2 90.325,21.2 89.3,25.45 90.325,25.45 89.3,29.7 90.325,29.7 89.3,33.95 90.325,33.95 89.3,38.2 90.325,38.2 89.3,41 90.325,41
  other v4: 90.304,43.545
AGND_CHAN4: J4_CHAN4.8 J4_CHAN4.AGND J5_CHAN4.12 J5_CHAN4.14 J5_CHAN4.18 | length 75.5
  Bottom Layer w0.35: v2(114.85,10.3) v2(114.85,11) 114.85,11.385 114.85,12.024 ; J5_CHAN4.14@115.85,9.5 v2@115.85,12.852
  Bottom Layer w0.5: 114.775,12.024 114.775,45.325 cw(c115.975,45.325) 115.975,46.525 v4(116,46.525) ; v2@115.775,12.852 115.775,25.45 115.775,29.7 115.775,43.775 cw(c116.625,43.775) 116.625,44.625 119.625,44.625
  other v1: 117.5,44.6 118.3,44.6 119.225,44.625
  other v2: 114.85,8.525 115.85,8.525 117.85,8.525 115.85,9.9 117.85,9.9 115.85,10.6 117.85,10.6 114.8,12.7 115.825,12.7 114.8,16.95 115.825,16.95 114.8,21.2 115.825,21.2 114.8,25.45 115.825,25.45 114.8,29.7 115.825,29.7 114.8,33.95 115.825,33.95 114.8,38.2 115.825,38.2 114.8,41 115.825,41
  other v4: 115.804,43.545
AGND_CHAN5: J4_CHAN5.8 J4_CHAN5.AGND J5_CHAN5.12 J5_CHAN5.14 J5_CHAN5.18 | length 75.5
  Bottom Layer w0.35: v2(140.35,10.3) v2(140.35,11) 140.35,11.385 140.35,12.024 ; J5_CHAN5.14@141.35,9.5 v2@141.35,12.852
  Bottom Layer w0.5: 140.275,12.024 140.275,45.325 cw(c141.475,45.325) 141.475,46.525 v4(141.5,46.525) ; v2@141.275,12.852 141.275,25.45 141.275,29.7 141.275,43.775 cw(c142.125,43.775) 142.125,44.625 145.125,44.625
  other v1: 143,44.6 143.8,44.6 144.725,44.625
  other v2: 140.35,8.525 141.35,8.525 143.35,8.525 141.35,9.9 143.35,9.9 141.35,10.6 143.35,10.6 140.3,12.7 141.325,12.7 140.3,16.95 141.325,16.95 140.3,21.2 141.325,21.2 140.3,25.45 141.325,25.45 140.3,29.7 141.325,29.7 140.3,33.95 141.325,33.95 140.3,38.2 141.325,38.2 140.3,41 141.325,41
  other v4: 141.304,43.545
AGND_CHAN6: J4_CHAN6.8 J4_CHAN6.AGND J5_CHAN6.12 J5_CHAN6.14 J5_CHAN6.18 | length 75.5
  Bottom Layer w0.35: v2(165.85,10.3) v2(165.85,11) 165.85,11.385 165.85,12.024 ; J5_CHAN6.14@166.85,9.5 v2@166.85,12.852
  Bottom Layer w0.5: 165.775,12.024 165.775,45.325 cw(c166.975,45.325) 166.975,46.525 v4(167,46.525) ; v2@166.775,12.852 166.775,25.45 166.775,29.7 166.775,43.775 cw(c167.625,43.775) 167.625,44.625 170.625,44.625
  other v1: 168.5,44.6 169.3,44.6 170.225,44.625
  other v2: 165.85,8.525 166.85,8.525 168.85,8.525 166.85,9.9 168.85,9.9 166.85,10.6 168.85,10.6 165.8,12.7 166.825,12.7 165.8,16.95 166.825,16.95 165.8,21.2 166.825,21.2 165.8,25.45 166.825,25.45 165.8,29.7 166.825,29.7 165.8,33.95 166.825,33.95 165.8,38.2 166.825,38.2 165.8,41 166.825,41
  other v4: 166.804,43.545
AGND_CHAN7: J4_CHAN7.8 J4_CHAN7.AGND J5_CHAN7.12 J5_CHAN7.14 J5_CHAN7.18 | length 75.5
  Bottom Layer w0.35: v2(191.35,10.3) v2(191.35,11) 191.35,11.385 191.35,12.024 ; J5_CHAN7.14@192.35,9.5 v2@192.35,12.852
  Bottom Layer w0.5: 191.275,12.024 191.275,45.325 cw(c192.475,45.325) 192.475,46.525 v4(192.5,46.525) ; v2@192.275,12.852 192.275,25.45 192.275,29.7 192.275,43.775 cw(c193.125,43.775) 193.125,44.625 196.125,44.625
  other v1: 194,44.6 194.8,44.6 195.725,44.625
  other v2: 191.35,8.525 192.35,8.525 194.35,8.525 192.35,9.9 194.35,9.9 192.35,10.6 194.35,10.6 191.3,12.7 192.325,12.7 191.3,16.95 192.325,16.95 191.3,21.2 192.325,21.2 191.3,25.45 192.325,25.45 191.3,29.7 192.325,29.7 191.3,33.95 192.325,33.95 191.3,38.2 192.325,38.2 191.3,41 192.325,41
  other v4: 192.304,43.545
AGND_CHAN8: J4_CHAN8.8 J4_CHAN8.AGND J5_CHAN8.12 J5_CHAN8.14 J5_CHAN8.18 | length 75.5
  Bottom Layer w0.35: v2(216.85,10.3) v2(216.85,11) 216.85,11.385 216.85,12.024 ; J5_CHAN8.14@217.85,9.5 v2@217.85,12.852
  Bottom Layer w0.5: 216.775,12.024 216.775,45.325 cw(c217.975,45.325) 217.975,46.525 v4(218,46.525) ; v2@217.775,12.852 217.775,25.45 217.775,29.7 217.775,43.775 cw(c218.625,43.775) 218.625,44.625 221.625,44.625
  other v1: 219.5,44.6 220.3,44.6 221.225,44.625
  other v2: 216.85,8.525 217.85,8.525 219.85,8.525 217.85,9.9 219.85,9.9 217.85,10.6 219.85,10.6 216.8,12.7 217.825,12.7 216.8,16.95 217.825,16.95 216.8,21.2 217.825,21.2 216.8,25.45 217.825,25.45 216.8,29.7 217.825,29.7 216.8,33.95 217.825,33.95 216.8,38.2 217.825,38.2 216.8,41 217.825,41
  other v4: 217.804,43.545
AGND_CHAN9: J4_CHAN9.8 J4_CHAN9.AGND J5_CHAN9.12 J5_CHAN9.14 J5_CHAN9.18 | length 75.5
  Bottom Layer w0.35: v2(242.35,10.3) v2(242.35,11) 242.35,11.385 242.35,12.024 ; J5_CHAN9.14@243.35,9.5 v2@243.35,12.852
  Bottom Layer w0.5: 242.275,12.024 242.275,45.325 cw(c243.475,45.325) 243.475,46.525 v4(243.5,46.525) ; v2@243.275,12.852 243.275,25.45 243.275,29.7 243.275,43.775 cw(c244.125,43.775) 244.125,44.625 247.125,44.625
  other v1: 245,44.6 245.8,44.6 246.725,44.625
  other v2: 242.35,8.5 243.35,8.5 245.35,8.5 243.35,9.9 245.35,9.9 243.35,10.6 245.35,10.6 242.3,12.7 243.325,12.7 242.3,16.95 243.325,16.95 242.3,21.2 243.325,21.2 242.3,25.45 243.325,25.45 242.3,29.7 243.325,29.7 242.3,33.95 243.325,33.95 242.3,38.2 243.325,38.2 242.3,41 243.325,41
  other v4: 243.304,43.545
CHANNEL_INTERFACE.V_LASER_P: J1.8 J1.10 J1.12 J1.14 J4_CHAN1.2_G J4_CHAN2.2_G J4_CHAN3.2_G J4_CHAN4.2_G J4_CHAN5.2_G J4_CHAN6.2_G J4_CHAN7.2_G J4_CHAN8.2_G J4_CHAN9.2_G | length 205.1
  Top Layer w1.2: v1@30.175,57.15 31.275,57.15 48.7,57.15 55.675,57.15 56.775,57.15 74.2,57.15 81.175,57.15 82.275,57.15 99.7,57.15 106.675,57.15 107.775,57.15 125.2,57.15 132.175,57.15 133.275,57.15 150.7,57.15 157.675,57.15 158.775,57.15 176.2,57.15 183.175,57.15 184.275,57.15 201.7,57.15 208.675,57.15 209.775,57.15 227.2,57.15 234.175,57.15 235.275,57.15
  other v1: 29.975,52.025 30.975,52.025 55.475,52.025 56.475,52.025 80.975,52.025 81.975,52.025 106.475,52.025 107.475,52.025 131.975,52.025 132.975,52.025 157.475,52.025 158.475,52.025 182.975,52.025 183.975,52.025 208.475,52.025 209.475,52.025 233.975,52.025 234.975,52.025 29.475,52.525 30.475,52.525 31.475,52.525 54.975,52.525 55.975,52.525 56.975,52.525 80.475,52.525 81.475,52.525 82.475,52.525 105.975,52.525 106.975,52.525 107.975,52.525 131.475,52.525 132.475,52.525 133.475,52.525 156.975,52.525 157.975,52.525 158.975,52.525 182.475,52.525 183.475,52.525 184.475,52.525 207.975,52.525 208.975,52.525 209.975,52.525 233.475,52.525 234.475,52.525 235.475,52.525 29.775,56.71 30.575,56.71 31.275,56.71 55.275,56.71 56.075,56.71 56.775,56.71 80.775,56.71 81.575,56.71 82.275,56.71 106.275,56.71 107.075,56.71 107.775,56.71 131.775,56.71 132.575,56.71 133.275,56.71 157.275,56.71 158.075,56.71 158.775,56.71 182.775,56.71 183.575,56.71 184.275,56.71 208.275,56.71 209.075,56.71 209.775,56.71 233.775,56.71 234.575,56.71 235.275,56.71 140.725,56.925 141.525,56.925 142.225,56.925 142.925,56.925 143.625,56.925 30.175,57.21 30.875,57.21 55.675,57.21 56.375,57.21 81.175,57.21 81.875,57.21 106.675,57.21 107.375,57.21 132.175,57.21 132.875,57.21 157.675,57.21 158.375,57.21 183.175,57.21 183.875,57.21 208.675,57.21 209.375,57.21 234.175,57.21 234.875,57.21 141.125,57.425 141.825,57.425 142.525,57.425 143.225,57.425 141.2,61.8 141.9,61.8 142.6,61.8 143.3,61.8 140.8,62.3 141.6,62.3 142.3,62.3 143,62.3 143.7,62.3
CHANNEL_INTERFACE.VDD5_A: J1.2 J4_CHAN1.9_G J4_CHAN2.9_G J4_CHAN3.9_G J4_CHAN4.9_G J4_CHAN5.9_G J4_CHAN6.9_G J4_CHAN7.9_G J4_CHAN8.9_G J4_CHAN9.9_G | length 383
  Top Layer w0.35: v1@24.675,55.6 48.7,55.6 50.175,55.6 74.2,55.6 75.675,55.6 99.7,55.6 101.175,55.6 125.2,55.6 126.675,55.6 150.7,55.6 152.175,55.6 176.2,55.6 177.675,55.6 201.7,55.6 203.175,55.6 227.2,55.6 v4@228.675,55.6
  Top Layer w0.7: v4(132.5,72.067) J1.2@132.5,82
  Bottom Layer w0.25: v1@24.675,55.6 v1(24.675,55.55) 24.675,44.7 ccw(c26.03,44.7) 26.03,43.345 28.2,43.345 28.206,43.345 28.206,43.339 ; v1@50.175,55.6 v1(50.175,55.55) 50.175,44.7 ccw(c51.53,44.7) 51.53,43.345 53.7,43.345 53.706,43.345 53.706,43.339 ; v1@75.675,55.6 v1(75.675,55.55) 75.675,44.7 ccw(c77.03,44.7) 77.03,43.345 79.2,43.345 79.206,43.345 79.206,43.339 ; v1@101.175,55.6 v1(101.175,55.55) 101.175,44.7 ccw(c102.53,44.7) 102.53,43.345 104.7,43.345 104.706,43.345 104.706,43.339 ; 126.638,56.726 cw(c126.548,56.636) 126.675,56.636 v1(126.675,55.55) 126.675,44.7 ccw(c128.03,44.7) 128.03,43.345 130.2,43.345 130.206,43.345 130.206,43.339 ; v1@152.175,55.6 v1(152.175,55.55) 152.175,44.7 ccw(c153.53,44.7) 153.53,43.345 155.7,43.345 155.706,43.345 155.706,43.339 ; v1@177.675,55.6 v1(177.675,55.55) 177.675,44.7 ccw(c179.03,44.7) 179.03,43.345 181.2,43.345 181.206,43.345 181.206,43.339 ; v1(203.175,55.55) 203.175,44.7 ccw(c204.53,44.7) 204.53,43.345 206.7,43.345 206.706,43.345 206.706,43.339 ; v4@228.675,55.6 v4(228.675,55.55) 228.675,44.7 ccw(c230.03,44.7) 230.03,43.345 232.2,43.345 232.206,43.345 232.206,43.339
  Bottom Layer w0.4: 126.638,56.726 126.638,64.246 cw(c127.704,64.246) 126.95,65 130.412,68.462 ; 130.461,68.535 cw(c130.108,68.724) 130.429,68.485 130.412,68.462 ; v4(132.5,72.067) 132.5,71.602 cw(c129.96,71.602) 131.756,69.806 130.412,68.462
  Bottom Layer w0.5: 28.2,43.345 28.206,43.339 v2@29.689,43.339 ; 53.7,43.345 53.706,43.339 v2@55.189,43.339 ; 79.2,43.345 79.206,43.339 v2@80.689,43.339 ; 104.7,43.345 104.706,43.339 v2@106.189,43.339 ; 130.2,43.345 130.206,43.339 v2@131.689,43.339 ; 155.7,43.345 155.706,43.339 v2@157.189,43.339 ; 181.2,43.345 181.206,43.339 v2@182.689,43.339 ; 206.7,43.345 206.706,43.339 v2@208.189,43.339 ; 232.2,43.345 232.206,43.339 v2@233.689,43.339
  other v2: 29.7,43.35 55.2,43.35 80.7,43.35 106.2,43.35 131.7,43.35 157.2,43.35 182.7,43.35 208.2,43.35 233.7,43.35
OP_OUT_P1: J2.2 J4_CHAN1.5_G | length 149.5
  Top Layer w0.2: v4(25.225,68.075) 25.282,68.018 25.477,68.018 25.492,68.002 80.002,68.002 ccw(c80.002,70.5) 82.5,70.5 82.5,86.96 cw(c92.04,86.96) 92.04,96.5 J2.2@126.5,96.5 ; J4_CHAN1.5_G@29.156,48.4 J4_CHAN1.5_G@29.3,48.4
  Top Layer w0.25: v1(25.2,49.798) 25.2,49.025 ccw(c25.8,49.025) 25.8,48.425 28.9,48.425 29.156,48.425 29.65,48.425 30.2,48.425 J4_CHAN1.5_G@30.4,48.425
  Bottom Layer w0.2: v1(25.2,49.798) 25.225,49.823 25.225,64.767 ccw(c25.025,64.767) 25.182,64.891 cw(c25.575,65.2) 25.183,65.51 ccw(c25.025,65.633) 25.225,65.633 v4(25.225,68.075)
OP_OUT_P2: J2.3 J4_CHAN2.5_G | length 123.2
  Top Layer w0.2: v4(50.718,67.374) 51.151,67.374 ccw(c51.151,67.974) 51.575,67.55 cw(c51.748,67.377) 51.748,67.622 80.167,67.622 ccw(c80.167,70.455) 83,70.455 83,86.96 cw(c92.04,86.96) 92.04,96 J2.3@126.5,96 ; J4_CHAN2.5_G@54.656,48.4 J4_CHAN2.5_G@54.8,48.4
  Top Layer w0.25: v1(50.7,49.798) 50.7,49.025 ccw(c51.3,49.025) 51.3,48.425 54.4,48.425 J4_CHAN2.5_G@55.9,48.425
  Bottom Layer w0.2: v1(50.7,49.798) 50.725,49.823 50.725,64.201 ccw(c50.525,64.201) 50.689,64.315 cw(c51.1,64.6) 50.69,64.885 ccw(c50.525,64.999) 50.725,64.999 50.725,67.367 v4(50.718,67.374)
OP_OUT_P3: J2.4 J4_CHAN3.5_G | length 97.5
  Top Layer w0.2: v4(76.25,67.1) 80.29,67.1 ccw(c80.29,70.31) 83.5,70.31 83.5,86.96 cw(c92.04,86.96) 92.04,95.5 J2.4@126.5,95.5 ; J4_CHAN3.5_G@80.156,48.4 J4_CHAN3.5_G@80.3,48.4
  Top Layer w0.25: v1(76.2,49.798) 76.2,49.025 ccw(c76.8,49.025) 76.8,48.425 79.9,48.425 J4_CHAN3.5_G@81.4,48.425
  Bottom Layer w0.2: v1(76.2,49.798) 76.225,49.823 76.225,63.768 ccw(c76.165,63.828) 76.25,63.828 76.209,63.908 ccw(c76.031,63.817) 76.194,63.933 cw(c76.6,64.225) 76.207,64.534 ccw(c76.05,64.658) 76.25,64.658 v4(76.25,67.1)
OP_OUT_P4: J2.5 J4_CHAN4.5_G | length 107.6
  Top Layer w0.2: v4(84,67.7) 84,70 84,86.96 cw(c92.04,86.96) 92.04,95 J2.5@126.5,95 ; v4(91.75,66.45) ccw(c91.775,66.45) 91.775,66.425 v4(101.725,66.425) ; J4_CHAN4.5_G@105.656,48.4 J4_CHAN4.5_G@105.8,48.4
  Top Layer w0.25: v1(101.7,49.798) 101.7,49.025 ccw(c102.3,49.025) 102.3,48.425 105.4,48.425 105.656,48.425 106.15,48.425 106.7,48.425 J4_CHAN4.5_G@106.9,48.425
  Bottom Layer w0.2: v4(84,67.7) 84.493,67.7 cw(c84.493,65.993) 85.7,67.2 85.706,67.194 ccw(c87.502,68.99) 87.502,66.45 v4(91.75,66.45) ; v1(101.7,49.798) 101.725,49.823 101.725,64.319 cw(c102.1,64.65) 101.725,64.981 v4(101.725,66.425)
OP_OUT_P5: J2.6 J4_CHAN5.5_G | length 129.9
  Top Layer w0.2: v4(84.525,68.2) cw(c84.525,68.225) 84.5,68.225 84.5,86.96 cw(c92.04,86.96) 92.04,94.5 J2.6@126.5,94.5 ; v4@91.7,67.55 v4(91.675,67.575) 92.329,67.575 cw(c92.329,67.404) 92.45,67.525 ccw(c92.51,67.585) 92.51,67.5 93,67.5 118.819,67.5 cw(c118.819,65.131) 120.494,66.806 122.706,64.594 ccw(c124.502,66.39) 124.502,63.85 v4@127.225,63.85 ; J4_CHAN5.5_G@131.156,48.4 J4_CHAN5.5_G@131.3,48.4
  Top Layer w0.25: v1(127.2,49.798) 127.2,49.025 ccw(c127.8,49.025) 127.8,48.425 130.9,48.425 131.156,48.425 131.65,48.425 132.2,48.425 J4_CHAN5.5_G@132.4,48.425
  Bottom Layer w0.2: v4(84.525,68.2) 84.55,68.175 85.187,68.175 cw(c85.187,67.415) 85.724,67.952 85.848,67.828 ccw(c86.46,68.439) 86.46,67.575 87.443,67.575 cw(c87.498,67.078) 87.498,67.578 cw(c87.498,67.078) 87.553,67.575 v4(91.675,67.575) ; v1(127.2,49.798) 127.225,49.823 127.225,61.1 cw(c127.6,61.431) 127.225,61.762 v4@127.225,63.85
  other v4: 127.25,63.85
OP_OUT_P6: J3.2 J4_CHAN6.5_G | length 109.6
  Top Layer w0.2: J3.2@150.5,89 182.1,89 cw(c182.1,86.4) 184.7,86.4 184.7,71.2 ; v4(152.725,68.075) ccw(c152.7,68.075) 152.7,68.1 181.4,68.1 ccw(c181.4,71.4) 184.7,71.4 ; J4_CHAN6.5_G@156.656,48.4 J4_CHAN6.5_G@156.8,48.4
  Top Layer w0.25: v1(152.7,49.798) 152.7,49.025 ccw(c153.3,49.025) 153.3,48.425 156.4,48.425 156.656,48.425 157.15,48.425 157.7,48.425 J4_CHAN6.5_G@157.9,48.425
  Bottom Layer w0.2: v1(152.7,49.798) 152.725,49.823 152.725,65.388 cw(c153.116,65.7) 152.725,66.012 v4(152.725,68.075)
OP_OUT_P7: J3.3 J4_CHAN7.5_G | length 85
  Top Layer w0.2: J3.3@150.5,89.5 182.1,89.5 cw(c182.1,86.4) 185.2,86.4 185.2,71.2 ; v4(178.2,67.5) 181.445,67.5 ccw(c181.445,71.255) 185.2,71.255 ; J4_CHAN7.5_G@182.156,48.4 J4_CHAN7.5_G@182.3,48.4
  Top Layer w0.25: v1(178.2,49.798) 178.2,49.025 ccw(c178.8,49.025) 178.8,48.425 181.9,48.425 182.156,48.425 182.65,48.425 183.2,48.425 J4_CHAN7.5_G@183.4,48.425
  Bottom Layer w0.2: v1(178.2,49.798) 178.2,58.322 178.225,58.347 178.225,58.803 178.2,58.828 178.2,64.9 cw(c178.6,65.2) 178.2,65.5 v4(178.2,67.5)